# KiCad board Transmi.kicad_pcb (continued)
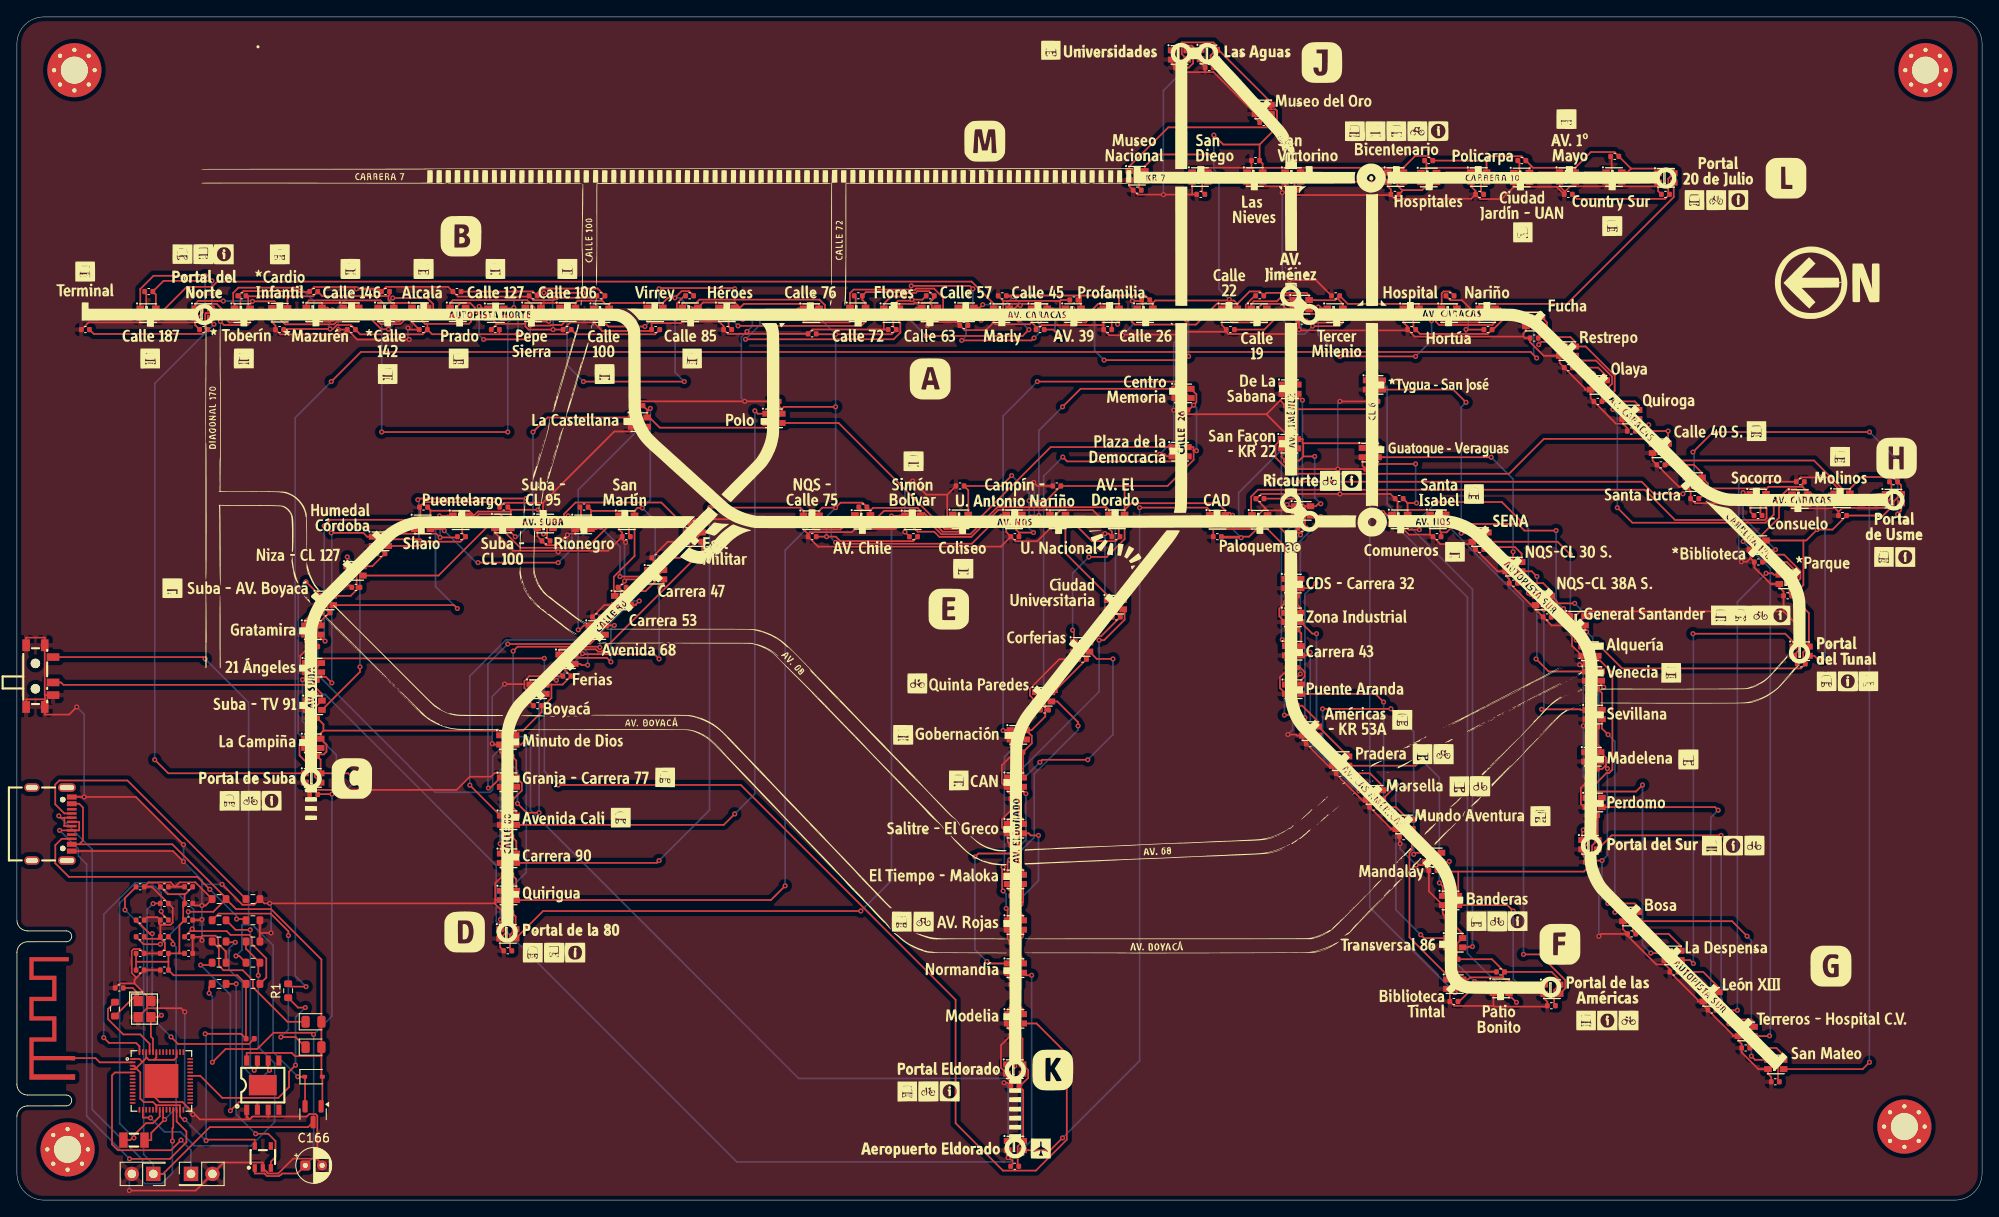
[diagram p0: board, top side]
## Routing (per net, layer and track width the routed paths; a pad name or vN(x,y) marks a point on that pad's centre or on a via; arc(x,y) is an arc through that point) (continued)
  Bottom w0.2: v1(125.61,56.1) 125.61,55.63 120.41,50.43 120.41,42.92 117.75,40.26 v1(117.5,40.26)
Net-(LED25-DO): length 12.6
  Top w0.2: v1(24.43,106.38) 21.44,106.38 21.11,106.05 LED25.1 ; LED49.3 31.01,105.47 31.01,105.81 30.48,106.34 v1(27.88,106.34)
  Bottom w0.2: v1(24.43,106.38) 27.84,106.38 v1(27.88,106.34)
Net-(LED26-DO): length 17.6
  Top w0.2: v1(75.53,105.48) 75.38,105.48 75.26,105.6 LED26.1 ; LED50.3 85.65,104.5 v1(85.93,104.23) ; v1(84.96,107.83) 84.87,107.92 76.1,107.92 v1(76.01,107.83)
  Bottom w0.2: v1(84.96,107.83) 84.96,105.19 v1(85.93,104.23) ; v1(76.01,107.83) 76.01,105.96 v1(75.53,105.48)
Net-(LED27-DO): length 16.4
  Top w0.2: LED39.3 143.53,105.32 143.53,105.73 143.19,106.06 142.03,106.06 139.56,103.6 132.31,103.6 131.95,103.95 131.95,104.84 LED27.1
Net-(LED28-DI): length 52.4
  Top w0.2: LED93.1 148.97,89.34 148.97,87.87 150.9,85.94 176.61,85.94 180.74,90.08 194.13,90.08 194.75,89.46 194.75,89.1 LED28.3
Net-(LED28-DO): length 26.9
  Top w0.2: LED28.1 194.38,88.73 194.38,88.36 195.23,87.51 212.71,87.51 216.18,84.05 216.18,83.27 LED76.3
Net-(LED29-DI): length 24.9
  Top w0.2: LED77.1 41.45,78.5 41,78.95 v1(37.21,78.95) ; v1(37.27,61.2) 36.58,61.9 36.03,61.9 LED29.3
  Bottom w0.2: v1(37.21,78.95) 37.27,78.89 v1(37.27,61.2)
Net-(LED30-DI): length 24.8
  Top w0.2: LED78.1 129.27,81.65 128.93,81.98 116.05,81.98 112.85,78.78 109.43,78.78 108.31,79.9 LED30.3
Net-(LED31-DI): length 18.5
  Top w0.2: LED31.3 180.95,70.4 180.95,70.1 v1(180.73,69.88) ; LED67.1 185.11,58 185.05,58.07 v1(180.47,58.07)
  Bottom w0.2: v1(180.73,69.88) 180.73,58.33 v1(180.47,58.07)
Net-(LED32-DI): length 24.7
  Top w0.2: LED80.1 166.56,31 v1(166.16,31.4) ; LED32.3 163.28,49.08 v1(163.28,49.12)
  Bottom w0.2: v1(166.16,31.4) 163.22,34.34 163.22,49.05 v1(163.28,49.12)
Net-(LED33-DO): length 4.4
  Top w0.2: LED45.3 137.87,135.6 137.87,136.48 137.99,136.6 139.08,136.6 139.45,136.23 139.45,136.1 LED33.1
Net-(LED34-DI): length 4.6
  Top w0.2: LED46.1 169.18,121.6 LED34.3
Net-(LED35-DO): length 27.1
  Top w0.2: LED35.1 60.77,61.55 63.8,61.55 v1(63.86,61.5) ; LED83.3 76.53,72.9 76.51,72.9 v1(76.11,72.5) ; v1(76.01,64.03) 75.45,64.59 67.02,64.59 v1(66.94,64.67)
  Bottom w0.2: v1(63.86,61.5) 66.94,64.59 v1(66.94,64.67) ; v1(76.11,72.5) 76.01,72.4 v1(76.01,64.03)
Net-(LED36-DI): length 31.3
  Top w0.2: v1(118.05,45.29) 117.82,45.05 117.27,45.05 LED84.1 ; v1(121.08,51.81) 121.37,52.1 v1(126.75,52.1) ; LED36.3 127.81,64.03 v1(129.73,64.03)
  Bottom w0.2: v1(126.75,52.1) 129.73,55.09 v1(129.73,64.03) ; v1(118.05,45.29) 118.05,48.78 v1(121.08,51.81)
Net-(LED36-DO): length 17.8
  Top w0.2: v1(124.96,67.43) 125.11,67.28 LED36.1 ; LED78.3 131.11,78.21 128.99,76.1 v1(126.88,76.1)
  Bottom w0.2: v1(124.96,67.43) 124.96,74.17 v1(126.88,76.1)
Net-(LED37-DO): length 15.1
  Top w0.2: v1(35.19,104.58) 35.38,104.58 35.45,104.5 LED61.3 ; LED37.1 25.77,106.05 25.6,106.22 25.6,107.34 26.23,107.96 v1(33.55,107.96)
  Bottom w0.2: v1(33.55,107.96) 35.19,106.33 v1(35.19,104.58)
Net-(LED38-DO): length 19.7
  Top w0.2: LED38.1 78.77,106.15 80.39,106.15 80.79,106.55 94.99,106.55 95.64,105.9 95.64,105.1 LED62.3
Net-(LED39-DO): length 6.8
  Top w0.2: LED39.1 143.49,104.61 143.49,104.24 143.89,103.85 147.95,103.85 LED51.3
Net-(LED40-DI): length 61.5
  Top w0.2: v1(197.2,83.57) 193.74,83.57 192.31,85 v1(151.62,85) ; LED81.1 150.42,96.5 150.5,96.42 v1(150.65,96.42) ; LED40.3 198.58,84.4 v1(198.53,84.35)
  Bottom w0.2: v1(198.53,84.35) 197.97,84.35 v1(197.2,83.57) ; v1(150.65,96.42) 151.62,95.46 v1(151.62,85)
Net-(LED40-DO): length 38.4
  Top w0.2: LED40.1 198.47,85.5 v1(198.53,85.55) ; v1(198.38,88.5) 200.76,90.88 v1(219.28,90.88) ; v1(222.6,81.16) 223.03,81.58 LED88.3
  Bottom w0.2: v1(222.6,81.16) 222.6,87.55 v1(219.28,90.88) ; v1(198.38,88.5) 198.53,88.36 v1(198.53,85.55)
Net-(LED41-DI): length 25.9
  Top w0.2: v1(36.48,66.14) 36.27,66.35 35.95,66.35 LED41.3 ; LED89.1 37.1,80.5 v1(36.38,79.78)
  Bottom w0.2: v1(36.38,79.78) 36.38,66.24 v1(36.48,66.14)
Net-(LED43-DI): length 16.3
  Top w0.2: LED79.1 186.26,53 v1(186.52,53) ; v1(185.8,67.24) 185.8,67.26 185.61,67.45 LED43.3
  Bottom w0.2: v1(185.8,67.24) 186.52,66.52 v1(186.52,53)
Net-(LED44-DI): length 19.8
  Top w0.2: LED92.1 169.27,26.65 164.83,31.09 164.83,41.12 165.11,41.4 LED44.3
Net-(LED46-DI): length 3.7
  Top w0.2: LED58.1 175,121.55 LED46.3
Net-(LED47-DO): length 23.7
  Top w0.2: LED47.1 64.19,65.1 64.25,65.17 68.52,65.17 68.79,64.9 69.21,64.9 81.11,76.79 LED95.3
Net-(LED48-DI): length 26.4
  Top w0.2: v1(118.19,50.26) 118.17,50.26 117.92,50 LED72.1 ; v1(128.09,66.25) 128.68,66.25 131.11,68.68 131.11,69.73 LED48.3
  Bottom w0.2: v1(128.09,66.25) 128.09,60.16 v1(118.19,50.26)
Net-(LED48-DO): length 11.1
  Top w0.2: LED48.1 129.11,71.55 124.11,76.55 LED66.3
Net-(LED49-DO): length 12
  Top w0.2: LED73.3 40.45,103.95 37.85,103.95 37.53,103.62 31.74,103.62 31.32,104.05 31.32,104.42 LED49.1
Net-(LED50-DO): length 19.5
  Top w0.2: v1(85.36,103.44) 99.94,103.44 100.45,103.95 LED74.3 ; v1(83.99,105.59) 83.77,105.59 83.76,105.6 LED50.1
  Bottom w0.2: v1(85.36,103.44) 83.99,104.81 v1(83.99,105.59)
Net-(LED51-DO): length 8.7
  Top w0.2: LED51.1 146.11,106.05 146.41,106.35 149.13,106.35 149.83,107.05 151.64,107.05 151.76,106.93 151.76,106.59 LED63.3
Net-(LED54-DO): length 25.5
  Top w0.2: v1(96.4,79.94) 96.35,79.9 LED6.3 ; LED54.1 116.45,81.1 113.02,77.67 97.05,77.67 v1(96.9,77.82)
  Bottom w0.2: v1(96.9,77.82) 96.4,78.33 v1(96.4,79.94)
Net-(LED56-DO): length 33.1
  Top w0.2: LED56.1 165.51,41.1 v1(165.33,40.91) ; v1(154.56,54.14) 154.3,54.4 154.03,54.4 LED8.3 ; v1(154.54,58.13) 162.62,58.13 v1(162.63,58.13)
  Bottom w0.2: v1(162.63,58.13) 165.33,55.43 v1(165.33,40.91) ; v1(154.56,54.14) 154.56,58.11 v1(154.54,58.13)
Net-(LED57-DI): length 6
  Top w0.2: 133.5,120.66 138.17,120.66 LED69.1
Net-(LED58-DI): length 4.1
  Top w0.2: LED70.1 180.18,121.6 LED58.3
Net-(LED60-DI): length 19.1
  Top w0.2: LED91.1 185.77,48.15 188.17,50.55 188.47,50.55 188.85,50.93 188.85,62.38 187.38,63.85 187.11,63.85 LED60.3
Net-(LED60-DO): length 22.1
  Top w0.2: LED60.1 185.27,66.05 184.78,66.05 v1(184.56,66.27) ; v1(183.87,76.38) 182.36,77.9 LED7.3
  Bottom w0.2: v1(183.87,76.38) 183.87,66.96 v1(184.56,66.27)
Net-(LED61-DO): length 12
  Top w0.2: LED85.3 43.42,105.69 43.42,106.06 43.03,106.45 34.57,106.45 34.27,106.15 LED61.1
Net-(LED62-DO): length 29.8
  Top w0.2: LED62.1 92.45,105.5 92.08,105.13 v1(87.95,105.13) ; v1(86.24,101.85) 103.78,101.85 104.57,102.65 104.57,103.73 104.45,103.85 LED86.3
  Bottom w0.2: v1(86.24,101.85) 87.95,103.56 v1(87.95,105.13)
Net-(LED63-DO): length 12.4
  Top w0.2: LED75.3 156.95,103.85 156.51,103.41 v1(153.36,103.41) ; v1(149.95,106.46) 149.99,106.5 LED63.1
  Bottom w0.2: v1(149.95,106.46) 149.95,104.04 151.52,102.48 152.43,102.48 v1(153.36,103.41)
Net-(LED70-DI): length 4.1
  Top w0.2: LED70.3 185.55,121.6 LED82.1
Net-(LED73-DO): length 13.4
  Top w0.2: LED97.3 49.28,105.17 49.28,106.03 48.56,106.74 v1(44.48,106.74) ; LED73.1 39.38,105.6 v1(39.53,105.45)
  Bottom w0.2: v1(39.53,105.45) 43.19,105.45 v1(44.48,106.74)
Net-(LED74-DO): length 16
  Top w0.2: LED98.3 109.63,105.19 109.63,106.77 108.56,107.85 106.46,107.85 106.26,107.66 105.67,107.66 105.59,107.74 99.04,107.74 98.61,107.31 LED74.1
Net-(LED75-DO): length 23.7
  Top w0.2: LED87.3 167.1,104.4 v1(167.45,104.06) ; LED75.1 154.45,105.5 154.29,105.66 v1(154.03,105.66) ; v1(165.55,99.83) v1(156.6,99.83)
  Bottom w0.2: v1(154.03,105.66) 154.03,102.4 v1(156.6,99.83) ; v1(165.55,99.83) 167.45,101.72 v1(167.45,104.06)
Net-(LED82-DI): length 4.7
  Top w0.2: LED94.1 193.27,120.5 LED82.3
Net-(LED87-DO): length 6.8
  Top w0.2: LED87.1 164.97,105.5 v1(164.99,105.48) ; v1(169.53,104.43) 169.77,104.43 169.79,104.4 LED99.3
  Bottom w0.2: v1(169.53,104.43) 168.47,105.48 v1(164.99,105.48)
Net-(LED100-DI): length 10.4
  Top w0.2: v1(204.32,83.71) 204.37,83.71 204.53,83.55 LED52.1 ; LED100.3 208.14,76.95 v1(208.15,76.96)
  Bottom w0.2: v1(208.15,76.96) 204.32,80.8 v1(204.32,83.71)
Net-(LED100-DO): length 62.6
  Top w0.2: LED100.1 204.53,78.05 204.41,77.93 v1(204.32,77.93) ; v1(207.44,19.44) 207.4,19.4 LED128.3
  Bottom w0.2: v1(207.44,19.44) 207.54,19.53 207.54,74.71 v1(204.32,77.93)
Net-(LED101-DI): length 22.5
  Top w0.2: LED101.3 54.7,81.15 57.16,81.15 57.4,80.91 57.4,79.37 59.59,77.18 67.45,77.18 LED131.1
Net-(LED101-DO): length 28.7
  Top w0.2: v1(50.02,80.96) 50.91,80.96 50.95,81 LED101.1 ; v1(52.13,70) 51.73,70.4 LED53.3
  Bottom w0.2: v1(52.13,70) 49.55,72.58 49.55,80.49 v1(50.02,80.96)
Net-(LED102-DI): length 7.3
  Top w0.2: LED102.3 148.03,79.4 150.11,77.32 LED105.1
Net-(LED102-DO): length 66.9
  Top w0.2: LED102.1 146.19,81.6 146.1,81.69 146.1,83.25 146.89,84.05 192.68,84.05 196.26,80.48 206.88,80.48 207.1,80.69 207.1,81.83 207.03,81.9 LED52.3
Net-(LED103-DI): length 39.2
  Top w0.2: v1(201.72,43.15) 188.76,43.15 LED103.3 ; LED128.1 203.02,20.5 v1(202.65,20.87)
  Bottom w0.2: v1(202.65,20.87) 201.72,21.8 v1(201.72,43.15)
Net-(LED103-DO): length 20.1
  Top w0.2: LED103.1 185.27,43.66 v1(185.4,43.8) ; v1(187.82,60.69) 187.61,60.9 187.53,60.9 LED55.3
  Bottom w0.2: v1(185.4,43.8) 187.22,45.61 187.22,60.08 v1(187.82,60.69)
Net-(LED104-DI): length 67.4
  Top w0.2: LED104.3 176.61,23.95 176.94,23.95 v1(177.49,23.4) ; LED126.1 162.11,81.1 161.86,81.36 v1(161.67,81.36)
  Bottom w0.2: v1(161.67,81.36) 171.69,71.34 171.69,29.2 v1(177.49,23.4)
Net-(LED104-DO): length 18.8
  Top w0.2: LED104.1 174.11,25.6 173.86,25.85 v1(172.54,25.85) ; v1(169.54,40.08) 169.46,40 LED56.3
  Bottom w0.2: v1(169.54,40.08) 169.54,28.86 v1(172.54,25.85)
Net-(LED105-DI): length 19.6
  Top w0.2: LED8.1 152.19,56.83 v1(152.44,57.08) ; LED105.3 153.17,72.4 v1(153.75,72.98)
  Bottom w0.2: v1(153.75,72.98) 152.44,71.68 v1(152.44,57.08)
Net-(LED106-DI): length 92.1
  Top w0.2: v1(103.52,80.95) 104.4,80.95 104.45,81 LED30.1 ; LED106.3 62.28,34.2 v1(99.89,34.2)
  Bottom w0.2: v1(103.52,80.95) 103.52,37.83 v1(99.89,34.2)
Net-(LED106-DO): length 22.1
  Top w0.2: v1(58.19,51.12) 58.43,50.88 58.43,49.58 LED11.3 ; LED106.1 57.19,33.16 v1(57.23,33.2)
  Bottom w0.2: v1(58.19,51.12) 58.19,37.61 57.23,36.65 v1(57.23,33.2)
Net-(LED107-DI): length 29.4
  Top w0.2: v1(66.44,67.48) 66.59,67.48 67.11,68 LED59.1 ; LED107.3 73.95,91.5 73.76,91.3 v1(73.69,91.3)
  Bottom w0.2: v1(73.69,91.3) 66.44,84.06 v1(66.44,67.48)
Net-(LED107-DO): length 27.1
  Top w0.2: LED113.3 58.45,78.95 58.54,78.95 v1(58.99,78.5) ; LED107.1 62.8,92.6 v1(61.09,90.88)
  Bottom w0.2: v1(61.09,90.88) 61.09,80.33 59.26,78.5 v1(58.99,78.5)
Net-(LED108-DI): length 26.2
  Top w0.2: LED143.1 117.99,7 v1(118.19,7.2) ; LED108.3 119.11,31.44 v1(118.9,31.23)
  Bottom w0.2: v1(118.19,7.2) 118.9,7.91 v1(118.9,31.23)
Net-(LED108-DO): length 23.2
  Top w0.2: v1(116.73,39.38) 116.61,39.26 116.61,36.7 v1(116.73,36.57) ; v1(118.59,54.15) 118.79,54.36 118.79,54.5 LED12.3 ; LED108.1 117.27,34.33 v1(117.09,34.51)
  Bottom w0.2: v1(117.09,34.51) 117.09,36.22 v1(116.73,36.57) ; v1(116.73,39.38) 116.89,39.54 116.89,52.45 v1(118.59,54.15)
Net-(LED109-DI): length 13.9
  Top w0.2: LED109.3 52.45,104.5 52.45,104.44 v1(52.19,104.18) ; v1(43.97,103.04) 43.14,103.04 42.11,104.07 42.11,104.95 LED85.1
  Bottom w0.2: v1(43.97,103.04) 45.11,104.18 v1(52.19,104.18)
Net-(LED109-DO): length 12.5
  Top w0.2: LED109.1 51.27,106.15 51.6,106.48 60.4,106.48 61.26,105.63 61.26,105.27 LED133.3
Net-(LED110-DI): length 17.7
  Top w0.2: v1(114.14,104.1) 113.91,104.32 113.91,104.5 LED110.3 ; v1(105.86,108.18) 112.8,108.18 v1(113.16,107.82) ; LED86.1 102.61,106.05 103.47,106.92 v1(105.04,106.92)
  Bottom w0.2: v1(113.16,107.82) 113.16,105.08 v1(114.14,104.1) ; v1(105.04,106.92) 105.86,107.74 v1(105.86,108.18)
Net-(LED110-DO): length 17
  Top w0.2: LED110.1 112.07,105.6 112.27,105.4 v1(112.34,105.4) ; v1(111.83,101.72) 120.1,101.72 v1(120.39,102.01) ; v1(121.02,103.97) 121.29,104.24 121.29,104.4 LED134.3
  Bottom w0.2: v1(121.02,103.97) 121.02,102.64 v1(120.39,102.01) ; v1(112.34,105.4) 112.34,102.24 v1(111.83,101.72)
Net-(LED111-DI): length 9.7
  Top w0.2: LED99.1 167.95,104.84 167.95,103.95 168.35,103.55 174.64,103.55 174.95,103.85 LED111.3
Net-(LED111-DO): length 30.5
  Top w0.2: LED94.3 196.11,118.67 183.48,106.05 173.11,106.05 LED111.1
Net-(LED112-DI): length 16
  Top w0.2: LED64.1 208.57,81.96 208.57,80.74 206.37,78.55 206.37,76.45 206.45,76.37 209.17,76.37 211.1,74.44 211.1,73.55 LED112.3
Net-(LED112-DO): length 57.4
  Top w0.2: LED139.3 202.49,22.46 v1(203.64,22.46) ; LED112.1 207.95,74 207.79,74.17 v1(207.03,74.17)
  Bottom w0.2: v1(207.03,74.17) 203.64,70.77 v1(203.64,22.46)
Net-(LED113-DO): length 18.4
  Top w0.2: LED113.1 49.91,73.9 LED65.3
Net-(LED114-DI): length 23.5
  Top w0.2: v1(154.33,80.9) 153.86,80.9 153.76,81 LED114.3 ; v1(151.91,62.26) 151.21,61.55 150.19,61.55 LED141.1
  Bottom w0.2: v1(154.33,80.9) 154.33,80.4 151.91,77.99 v1(151.91,62.26)
Net-(LED114-DO): length 22.4
  Top w0.2: LED90.3 143.68,79.95 143.7,79.97 v1(144.61,79.97) ; v1(150.34,82.3) 150.55,82.1 LED114.1
  Bottom w0.2: v1(150.34,82.3) 151.08,83.04 151.08,89.09 150.76,89.4 150.3,89.4 144.61,83.7 v1(144.61,79.97)
Net-(LED115-DI): length 30.1
  Top w0.2: v1(205.3,17.03) 205.73,16.6 LED140.1 ; LED115.3 203.01,33 v1(204.79,31.22)
  Bottom w0.2: v1(204.79,31.22) 205.3,30.72 v1(205.3,17.03)
Net-(LED115-DO): length 24.5
  Top w0.2: LED67.3 187.61,55.81 v1(188.34,55.07) ; LED115.1 189.45,34.1 189.4,34.05 v1(189.14,34.05)
  Bottom w0.2: v1(188.34,55.07) 189.14,54.28 v1(189.14,34.05)
Net-(LED116-DI): length 65.3
  Top w0.2: v1(168.19,81.17) 167.99,81.17 167.92,81.1 LED138.1 ; LED116.3 183.26,25.05 183.26,26.03 180.22,29.07 v1(178.32,29.07)
  Bottom w0.2: v1(168.19,81.17) 168.19,80.97 178.32,70.83 v1(178.32,29.07)
Net-(LED116-DO): length 19
  Top w0.2: v1(178.02,25.26) 178.26,25.5 LED116.1 ; LED68.3 176.42,34.9 v1(177.11,34.2)
  Bottom w0.2: v1(178.02,25.26) 177.11,26.16 v1(177.11,34.2)
Net-(LED117-DI): length 18.4
  Top w0.2: v1(154.62,53.11) 154.67,53.05 155.77,53.05 LED20.1 ; LED117.3 153.33,67.02 v1(153.82,67.02)
  Bottom w0.2: v1(153.82,67.02) 153.82,53.9 v1(154.62,53.11)
Net-(LED117-DO): length 27.9
  Top w0.2: LED117.1 150.76,69.5 150.76,69.69 v1(150.98,69.92) ; LED81.3 151.61,94.85 151.95,94.85 v1(152.16,94.64)
  Bottom w0.2: v1(152.16,94.64) 152.16,80.22 150.57,78.62 150.57,71.06 150.98,70.64 v1(150.98,69.92)
Net-(LED118-DI): length 82.9
  Top w0.2: LED18.1 97.48,79.35 94.39,79.35 94.03,79.71 v1(94.03,80) ; v1(90.93,37.19) 89.25,35.5 LED118.3
  Bottom w0.2: v1(94.03,80) 90.93,76.9 v1(90.93,37.19)
Net-(LED118-DO): length 20.9
  Top w0.2: LED23.3 59.68,53.9 60.11,54.33 v1(60.29,54.33) ; LED118.1 58.1,36.6 v1(58.15,36.65)
  Bottom w0.2: v1(58.15,36.65) 60.29,38.79 v1(60.29,54.33)
Net-(LED119-DI): length 28
  Top w0.2: LED119.3 97.26,91.95 109.8,79.41 111.26,79.41 111.42,79.57 111.42,80.45 LED42.1
Net-(LED119-DO): length 76.6
  Top w0.2: v1(84.96,45.69) 83.67,44.4 LED142.3 ; v1(87.35,93.39) 87.69,93.05 LED119.1
  Bottom w0.2: v1(84.96,45.69) 87.35,48.08 v1(87.35,93.39)
Net-(LED120-DI): length 135.9
  Top w0.2: 35.29,59.65 v1(35.45,59.82) ; 35.29,59.65 34.27,59.65 LED17.1 ; 35.29,59.65 v1(35.45,59.82) ; 35.29,59.65 v1(35.45,59.82) ; v1(120.11,26.6) 119.41,26.6 LED120.3
  Bottom w0.2: v1(35.45,59.82) 36.5,59.82 56.73,39.59 56.73,32.99 85.21,4.51 117.54,4.51 120.11,7.08 v1(120.11,26.6) ; v1(35.45,59.82) 35.29,59.65 v1(35.45,59.82)
Net-(LED120-DO): length 28.8
  Top w0.2: LED72.3 119.11,48.35 119.16,48.35 v1(119.42,48.09) ; v1(113.4,40.61) 113.79,41.01 v1(117.79,41.01) ; LED120.1 115.05,28 v1(114.81,28.24)
  Bottom w0.2: v1(114.81,28.24) 113.4,29.65 v1(113.4,40.61) ; v1(119.42,48.09) 119.42,42.63 v1(117.79,41.01)
Net-(LED121-DI): length 47.6
  Top w0.2: v1(43.69,104.18) 43.91,103.95 45.24,103.95 45.36,104.07 45.36,104.2 LED97.1 ; v1(43.18,90.88) v1(58.1,90.88) ; LED121.3 58.26,104.4 58.39,104.53 v1(58.82,104.53)
  Bottom w0.2: v1(43.69,104.18) 43.18,103.67 v1(43.18,90.88) ; v1(58.82,104.53) 58.1,103.81 v1(58.1,90.88)
Net-(LED121-DO): length 18.1
  Top w0.2: v1(54.71,105.74) 54.87,105.74 55.11,105.5 LED121.1 ; v1(55.23,101.84) v1(60.47,101.84) ; LED2.3 65.44,104.5 64.49,103.55 63.23,103.55 63.15,103.48 60.79,103.48 v1(60.75,103.52)
  Bottom w0.2: v1(60.47,101.84) 60.75,102.12 v1(60.75,103.52) ; v1(54.71,105.74) 54.71,102.36 v1(55.23,101.84)
Net-(LED122-DI): length 20.6
  Top w0.2: v1(119.78,102.99) 119.04,102.25 v1(107.61,102.25) ; LED98.1 106.45,105.6 105.95,105.09 v1(105.74,105.09) ; LED122.3 118.32,104.4 v1(118.59,104.13)
  Bottom w0.2: v1(107.61,102.25) 105.74,104.11 v1(105.74,105.09) ; v1(119.78,102.99) 118.65,104.13 v1(118.59,104.13)
Net-(LED122-DO): length 102.6
  Top w0.2: LED13.3 20.11,108.06 23.09,108.06 23.71,108.68 113.01,108.68 115.61,106.08 LED122.1
Net-(LED123-DO): length 9.8
  Top w0.2: v1(179.53,104.42) 179.33,104.42 179.26,104.5 LED123.1 ; v1(180.12,101.21) 180.46,101.55 183.18,101.55 183.65,101.07 183.65,100.69 LED135.3
  Bottom w0.2: v1(179.53,104.42) 180.12,103.83 v1(180.12,101.21)
Net-(LED124-DI): length 22.4
  Top w0.2: v1(214.01,82.93) 214.45,83.38 214.45,83.6 LED76.1 ; LED124.3 212.76,64.4 213.19,63.97 v1(213.68,63.97)
  Bottom w0.2: v1(214.01,82.93) 214.01,64.31 v1(213.68,63.97)
Net-(LED124-DO): length 53.5
  Top w0.2: v1(198.38,67.02) 209.3,67.02 210.27,66.05 LED124.1 ; v1(198.43,27.99) 198.02,28.4 LED127.3
  Bottom w0.2: v1(198.43,27.99) 198.43,66.97 v1(198.38,67.02)
Net-(LED125-DI): length 19.1
  Top w0.2: LED95.1 79.27,79.55 76.28,82.54 66.13,82.54 64.75,81.16 64.75,80.8 LED125.3
Net-(LED125-DO): length 26.8
  Top w0.2: LED125.1 60.65,80.6 v1(60.04,79.99) ; v1(47.58,77.69) 47.29,77.4 LED77.3 ; v1(60.29,83.02) 47.61,83.02 v1(47.46,82.87)
  Bottom w0.2: v1(60.29,83.02) 60.04,82.77 v1(60.04,79.99) ; v1(47.46,82.87) 47.58,82.74 v1(47.58,77.69)
Net-(LED126-DI): length 27
  Top w0.2: LED126.3 164.61,79.45 164.73,79.33 v1(166,79.33) ; v1(178.91,71.83) 179.11,71.62 179.11,71.5 LED31.1 ; v1(168.01,82.6) 175.76,82.6 v1(178.09,80.27)
  Bottom w0.2: v1(166,79.33) 166,80.58 v1(168.01,82.6) ; v1(178.91,71.83) 178.91,79.45 v1(178.09,80.27)
Net-(LED127-DO): length 32.8
  Top w0.2: v1(186.72,48.34) 191.64,48.34 v1(192.41,49.12) ; v1(193.4,29.22) 194.18,29.22 194.45,29.5 LED127.1 ; v1(186.53,51.98) 186.71,51.98 186.79,51.9 LED79.3
  Bottom w0.2: v1(186.72,48.34) 186.53,48.53 v1(186.53,51.98) ; v1(193.4,29.22) 192.41,30.21 v1(192.41,49.12)
Net-(LED129-DI): length 21.1
  Top w0.2: LED32.1 158.91,48.5 v1(158.84,48.42) ; LED129.3 152.68,64.45 153.04,64.81 v1(153.08,64.81)
  Bottom w0.2: v1(153.08,64.81) 153.08,53.93 158.59,48.42 v1(158.84,48.42)
Net-(LED129-DO): length 25
  Top w0.2: LED93.3 150.87,88.95 150.79,88.87 v1(150.57,88.87) ; LED129.1 150.19,66.1 149.98,66.1 v1(149.77,66.31)
  Bottom w0.2: v1(149.77,66.31) 149.67,66.41 149.67,87.97 v1(150.57,88.87)
Net-(LED130-DI): length 73.1
  Top w0.2: v1(76.01,40.17) 75.74,39.9 LED130.3 ; LED6.1 93.11,81.55 92.73,81.93 v1(81.98,81.93)
  Bottom w0.2: v1(81.98,81.93) 81.98,46.14 v1(76.01,40.17)
Net-(LED130-DO): length 34.9
  Top w0.2: v1(61.74,60.2) 61.95,59.99 61.95,59.9 LED35.3 ; v1(59.25,46.92) 60.34,45.83 v1(61.8,45.83) ; LED130.1 57.27,42.11 v1(57.2,42.18)
  Bottom w0.2: v1(57.2,42.18) 57.2,50.85 57.99,51.64 58.43,51.64 59.25,50.82 v1(59.25,46.92) ; v1(61.8,45.83) 61.8,60.14 v1(61.74,60.2)
Net-(LED131-DI): length 9.5
  Top w0.2: LED131.3 73.11,76.21 70.65,73.75 70.65,72.17 70.77,72.05 LED71.1
Net-(LED132-DI): length 150.4
  Top w0.2: LED132.3 120.68,20.9 124.27,17.31 124.27,7.15 120.61,3.49 116.72,3.49 111.11,9.1 111.11,23.69 85.68,49.12 v1(64.07,49.12) ; v1(62.43,64.1) 34.19,64.1 LED29.1
  Bottom w0.2: v1(64.07,49.12) 62.43,50.76 v1(62.43,64.1)
Net-(LED132-DO): length 24.6
  Top w0.2: v1(117.77,23.06) 117.27,22.55 LED132.1 ; LED84.3 119.76,43.4 120,43.15 v1(120.91,43.15)
  Bottom w0.2: v1(117.77,23.06) 117.77,34.65 120.91,37.8 v1(120.91,43.15)
Net-(LED133-DO): length 16.2
  Top w0.2: v1(62.94,103.98) 62.91,103.95 61.49,103.95 60.93,104.51 60.93,104.85 LED133.1 ; v1(69.24,105.27) 69.24,105.27 LED14.3 ; v1(66.99,107.36) v1(62.37,107.36)
  Bottom w0.2: v1(66.99,107.36) 67.14,107.36 v1(69.24,105.27) ; v1(62.37,107.36) 62.37,104.56 v1(62.94,103.98)
Net-(LED134-DO): length 6.5
  Top w0.2: LED134.1 120.76,105.5 120.91,105.35 v1(121.03,105.35) ; v1(124.97,105.5) 124.97,105.38 LED3.3
  Bottom w0.2: v1(121.03,105.35) 121.17,105.5 v1(124.97,105.5)
Net-(LED135-DO): length 9.7
  Top w0.2: LED4.3 188.8,96.6 188.8,97.45 186.91,99.34 183.91,99.34 183.26,99.99 183.26,100.35 LED135.1
Net-(LED136-DI): length 6.5
  Top w0.2: LED5.1 33.45,53.95 33.45,52.6 35.26,50.79 35.26,50.08 LED136.3
Net-(LED136-DO): length 73.9
  Top w0.2: v1(23.32,103.63) 23.1,103.85 22.95,103.85 LED25.3 ; LED136.1 17.92,50.5 v1(16.32,52.1)
  Bottom w0.2: v1(16.32,52.1) 16.32,96.62 v1(23.32,103.63)
Net-(LED137-DI): length 11.6
  Top w0.2: LED83.1 73.91,73.78 v1(71.39,73.78) ; v1(69.1,79.62) 68.81,79.62 68.6,79.4 LED137.3
  Bottom w0.2: v1(71.39,73.78) 71.39,77.33 v1(69.1,79.62)
Net-(LED137-DO): length 24.3
  Top w0.2: v1(65.25,80.95) 65.45,80.75 65.45,80.5 LED137.1 ; LED89.3 50.39,79.4 v1(50.59,79.2) ; v1(64.07,75.43) v1(54.58,75.43)
  Bottom w0.2: v1(64.07,75.43) 65.7,77.06 65.7,80.5 v1(65.25,80.95) ; v1(50.59,79.2) 54.37,75.43 v1(54.58,75.43)
Net-(LED138-DI): length 24.4
  Top w0.2: LED43.1 183.77,69.65 183.4,69.65 v1(183.07,69.98) ; v1(182.18,79.22) 178.43,79.22 177.65,80 LED138.3
  Bottom w0.2: v1(182.18,79.22) 182.18,70.87 v1(183.07,69.98)
Net-(LED139-DO): length 36.7
  Top w0.2: LED139.1 200.44,24.6 v1(200.48,24.65) ; v1(201.37,46.14) 201,46.5 LED91.3
  Bottom w0.2: v1(201.37,46.14) 200.48,45.25 v1(200.48,24.65)
Net-(LED140-DI): length 79.2
  Top w0.2: v1(219.28,16.31) 218.47,15.5 LED140.3 ; LED88.1 220.1,83.55 v1(219.26,82.71)
  Bottom w0.2: v1(219.28,16.31) 219.26,16.32 v1(219.26,82.71)
Net-(LED141-DI): length 25.2
  Top w0.2: LED141.3 160.8,59.9 v1(161.77,58.93) ; LED44.1 162.61,45 162.55,45.06 v1(162.41,45.06)
  Bottom w0.2: v1(161.77,58.93) 161.77,45.71 v1(162.41,45.06)
Net-(LED142-DO): length 37.5
  Top w0.2: LED47.3 66.68,63.45 66.82,63.3 v1(67.56,63.3) ; v1(53.61,49.1) 57.21,45.5 LED142.1
  Bottom w0.2: v1(67.56,63.3) 67.56,64.76 66.02,66.3 57.89,66.3 53.61,62.01 v1(53.61,49.1)
Net-(LED143-DI): length 92.6
  Top w0.2: LED143.3 122.31,5.9 v1(123.77,7.36) ; v1(132.88,81.93) 140.86,81.93 141.19,81.6 LED90.1
  Bottom w0.2: v1(123.77,7.36) 132.88,16.48 v1(132.88,81.93)
Net-(LED144-DI): length 126
  Top w0.2: LED144.3 118.96,14.95 v1(118.12,14.11) ; v1(35.11,69.6) 34.11,68.6 LED41.1
  Bottom w0.2: v1(35.11,69.6) 35.61,69.1 35.61,62.16 49.51,48.26 56.02,48.26 56.31,48.55 56.31,52.49 58.66,54.84 60.5,54.84 60.79,54.54 60.79,46.14 92.53,14.4 117.83,14.4 v1(118.12,14.11)
Net-(LED144-DO): length 23
  Top w0.2: LED144.1 117.91,16.05 v1(118.11,15.85) ; v1(118.86,35.02) 119.11,35.27 LED96.3
  Bottom w0.2: v1(118.86,35.02) 118.27,34.43 118.27,16.02 v1(118.11,15.85)
Net-(LED145-DI): length 27.6
  Top w0.2: LED7.1 171.61,79 171.52,78.91 v1(170.95,78.91) ; v1(171.52,94.39) 170.01,95.9 LED145.3
  Bottom w0.2: v1(170.95,78.91) 170.95,93.83 v1(171.52,94.39)
Net-(LED145-DO): length 75.4
  Top w0.2: LED145.1 159.77,97.55 160.24,97.55 v1(160.53,97.84) ; LED80.3 171.76,29.9 171.85,29.99 v1(172.28,29.99)
  Bottom w0.2: v1(172.28,29.99) 172.28,72.27 162.18,82.38 162.18,96.2 v1(160.53,97.84)
Net-(LED146-DI): length 28
  Top w0.2: LED146.3 161.76,87.9 161.76,87.9 v1(174.5,87.9) ; LED19.1 176.27,76.05 176.54,76.05 176.57,76.02 176.65,76.02 176.88,75.79 176.97,75.79 177.09,75.91 v1(177.09,76.72)
  Bottom w0.2: v1(177.09,76.72) 177.09,85.31 v1(174.5,87.9)
Net-(LED146-DO): length 70.7
  Top w0.2: v1(170.21,24.55) 170.45,24.79 170.45,25 LED92.3 ; LED146.1 160.11,89 v1(160.13,88.97)
  Bottom w0.2: v1(160.13,88.97) 160.13,34.63 v1(170.21,24.55)
Net-(LED147-DO): length 30.7
  Top w0.2: v1(120.97,81) 119.94,81 LED54.3 ; LED147.1 125.9,96 v1(123.77,93.86)
  Bottom w0.2: v1(123.77,93.86) 120.97,91.07 v1(120.97,81)
Net-(LED148-DI): length 45.1
  Top w0.2: LED148.3 137.95,88 137.36,87.4 124.31,87.4 v1(123.79,87.92) ; LED24.1 121.26,60.1 121.35,60 v1(121.53,60)
  Bottom w0.2: v1(121.53,60) 121.53,85.66 v1(123.79,87.92)
Net-(LED148-DO): length 27.9
  Top w0.2: LED42.3 113.26,80 122.36,89.1 LED148.1
Net-(Q102-CE): length 26
  Top w0.2: v1(25.96,25.59) 24.76,25.59 R106.2 ; v1(28.25,7.85) 29.74,7.85 30.61,6.99 30.61,5.1 30.06,4.55 Q102.3
  Bottom w0.2: v1(25.96,25.59) 25.96,10.15 v1(28.25,7.85)
Net-(U1-GPIO33): length 26
  Top w0.2: U1.37 21.71,14.7 24.31,12.1 30.95,12.1 32.21,13.36 32.21,15.19 v1(32.98,15.97) ; v1(34.14,22.78) 33.27,22.78 R1.1
  Bottom w0.2: v1(32.98,15.97) 32.98,21.62 v1(34.14,22.78)
Net-(U1-XTAL_32K_N): length 27.7
  Top w0.2: U1.22 17.31,9.71 v1(17.49,9.53) 15.91,7.95 15.91,7.1 X102.2 ; C112.2 18.47,30.62 v1(18.47,30.29)
  Bottom w0.2: v1(18.47,30.29) 18.84,29.92 18.84,10.89 v1(17.49,9.53)
Net-(U1-XTAL_32K_P): length 44.5
  Top w0.2: X102.1 13.41,7.1 13.67,7.36 v1(13.86,7.36) 13.86,7.68 15.28,9.1 16.11,9.1 16.91,9.9 U1.21 ; v1(17.08,34.17) 17.08,33.99 C111.2
  Bottom w0.2: v1(17.08,34.17) 17.08,36.34 16.31,37.11 14.15,37.11 12.16,35.12 12.16,9.06 v1(13.86,7.36)
